# Altium PCB cheriot-test.PcbDoc (part 5 of 12) (continued)
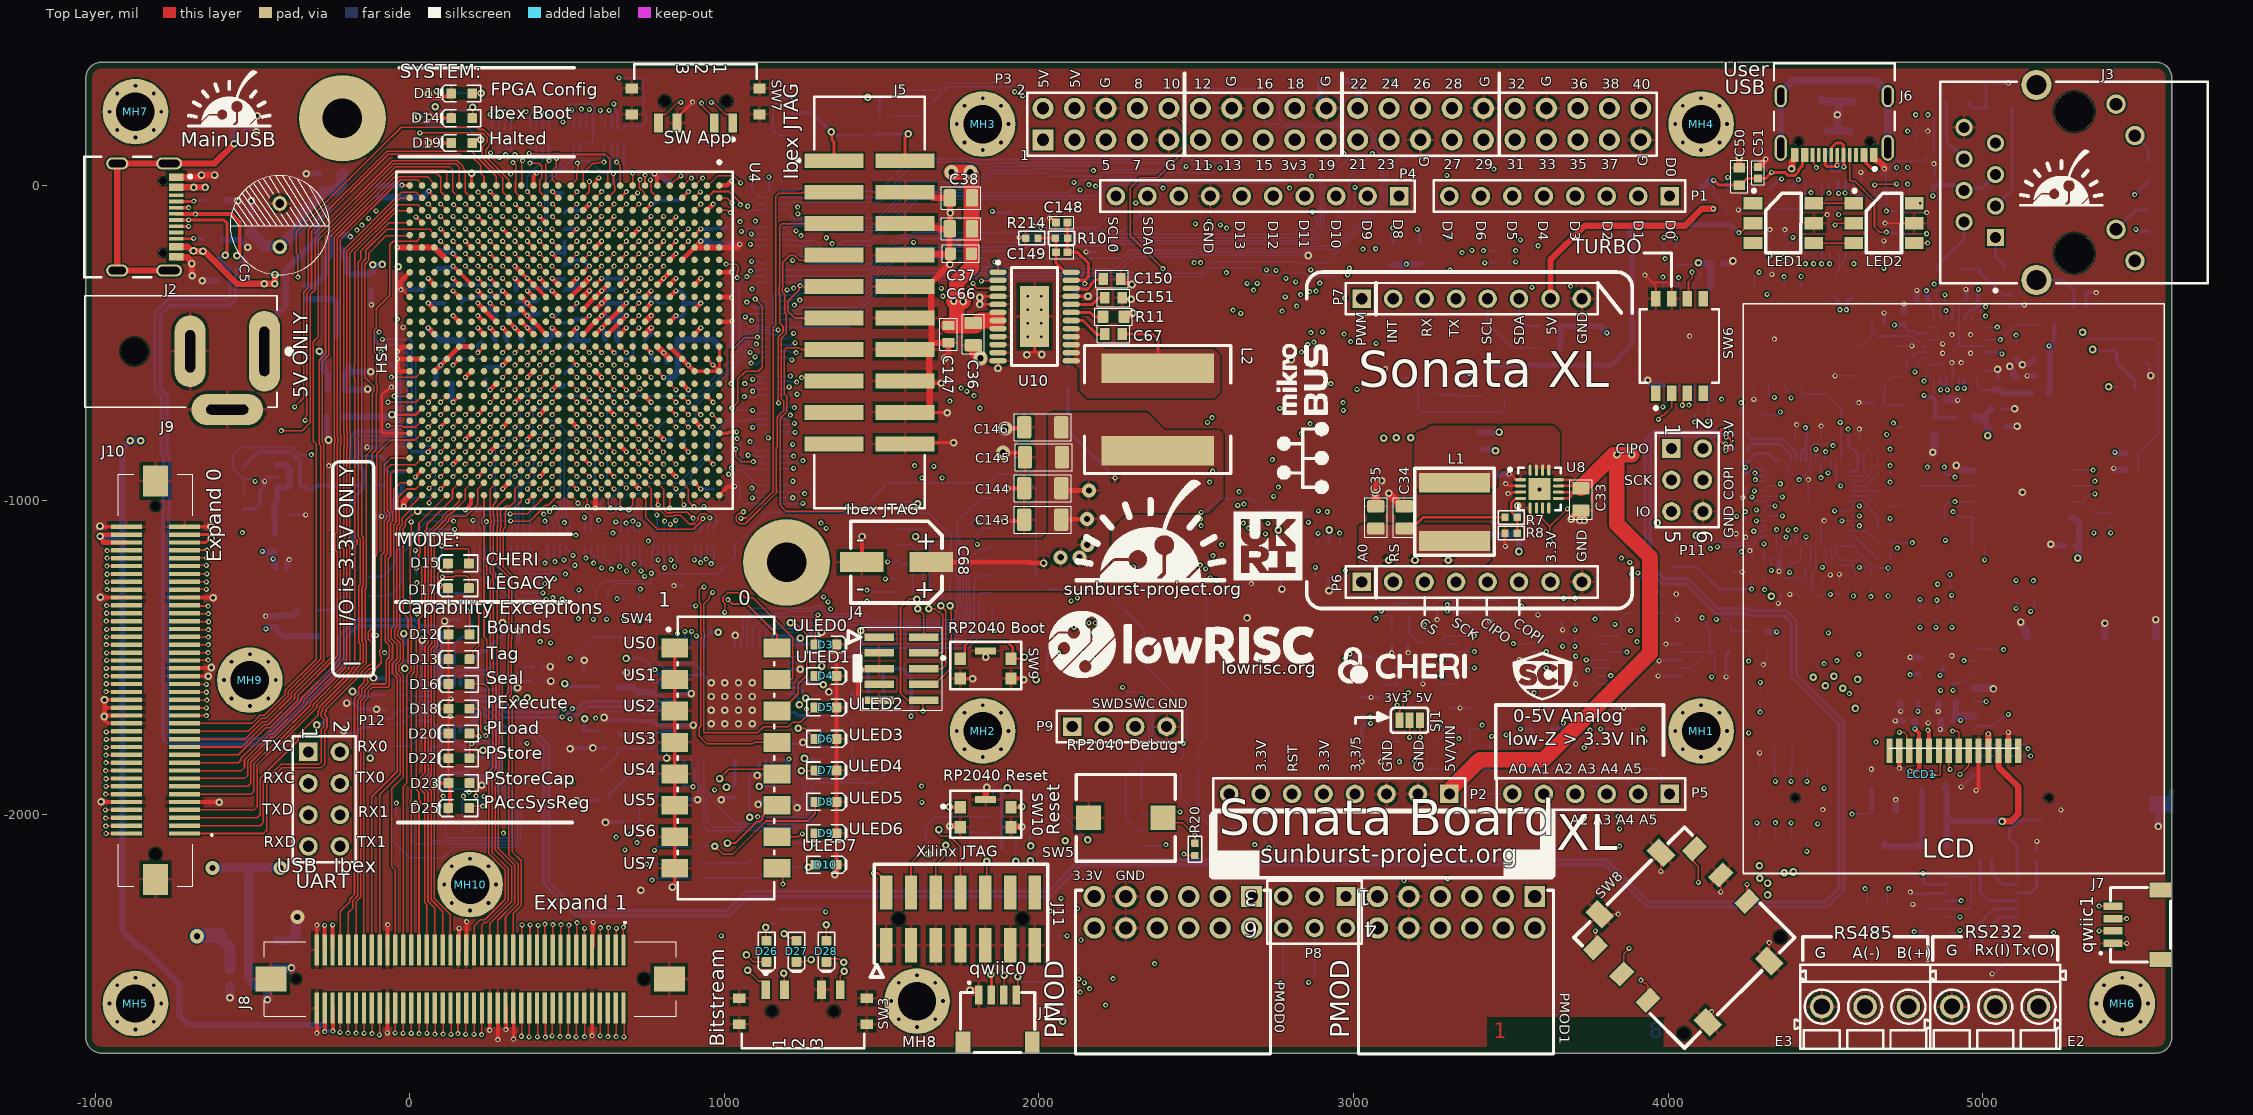
[diagram p0: Top Layer view]
## Nets (pads, with @x,y where several pads share a name; then routed paths per layer and width w, separated by ;. In a path a pad name is that pad's centre, name@x,y a point inside that pad or via, vN(x,y) a via of type N, cw(c..) or ccw(c..) an arc to the next point about the centre after c; other vN are vias at no path point) (continued)
EX0_25: J10.28 U4.AD4 | length 2509.3
  Top Layer w5: v1@-964.4,-1736.63 J10.28@-899.41,-1736.63 ; v1(59.06,-98.43) U4.AD4@78.74,-118.11
  Int4 (Sign) w5: v1(-964.42,-1736.61) -528.34,-1736.61 -475.69,-1683.96 -461.55,-1683.96 -396.04,-1618.45 -396.04,-1580.04 -232.89,-1416.89 -232.89,-1175.74 -248.5,-1160.13 -248.5,-1105.87 -232.89,-1090.26 -232.89,-297.89 -5,-70 30.63,-70 v1(59.06,-98.43)
EX0_26: J10.29 U4.AB1 | length 2465.3
  Top Layer w5: J10.29@-715.35,-1709.65 -501.38,-1709.65 -475.69,-1683.96 -461.55,-1683.96 -396.04,-1618.45 -396.04,-1604.31 -297.26,-1505.52 -297.26,-848.82 -297.5,-848.58 -297.5,-821.5 -306.5,-812.5 -306.5,-497.05 -290,-480.55 -290,-171.28 -49.66,69.06 147.48,69.06 157.48,59.06 157.48,24 157,23.52 U4.AB1@157,1
EX0_27: J10.31 U4.W1 | length 3029.3
  Top Layer w5: J10.31@-710.89,-1684.62 v1(-645.88,-1684.64) ; v1(-366,-704) -336.5,-674.5 -336.5,-339.22 -322,-324.72 -322,-140.8 -72.14,109.06 196.25,109.06 242.22,63.08 275.59,29.71 U4.W1@275.59,0
  Int3 (Sign) w5: v1(-645.88,-1684.64) -835.87,-1684.64 -901.25,-1619.25 -901.25,-909.69 -865.28,-873.72 -862.36,-870.79 -859.43,-867.86 -856.5,-864.93 -853.57,-862 -512.56,-862 -371.63,-721.07 -371.63,-712.43 -366,-706.8 v1(-366,-704)
EX0_28: J10.33 U4.AA2 | length 2960.4
  Top Layer w5: J10.33@-710.89,-1660.62 v1(-645.88,-1660.64) ; v1(-407.82,-779.18) -341.18,-779.18 -316.5,-754.5 -316.5,-347.5 -300,-331 -300,-167.14 -53.8,79.06 151.62,79.06 168.84,61.84 ; 169,61.84 169,56 177,48 177,-19.52 U4.AA2@196.85,-39.37
  Int3 (Sign) w5: v1(-645.88,-1660.64) -837.24,-1660.64 -889.94,-1607.94 -889.94,-912.51 -858.21,-880.79 -855.28,-877.86 -852.36,-874.93 -849.43,-872 -495.43,-872 -452.67,-829.25 -452.67,-824.04 -409.64,-781 v1@-406,-781 ; v1(-407.82,-779.18) v1@-406,-781 ; v1@-406,-777.36 v1@-406,-781
EX0_29: J10.35 U4.V1 | length 3163.1
  Top Layer w5: J10.35@-709.89,-1635.62 v1(-644.88,-1635.64) ; v1(-355.5,-291) -355.5,-220.76 -361,-215.26 -361,-148.43 -90.57,122 -90,122 -27,185 213.58,185 220.58,178 234.72,178 256,156.72 256,142.14 256,133.86 252.5,130.36 252.5,124.58 241.5,113.58 241.5,92.09 314.96,18.63 U4.V1@314.96,0
  Int3 (Sign) w5: v1(-644.88,-1635.64) -839.61,-1635.64 -878.63,-1596.63 -878.63,-915.34 -851.14,-887.86 -848.21,-884.93 -845.28,-882 -491.28,-882 -408.78,-799.5 -399.58,-799.5 -390.5,-790.42 -390.5,-781.22 -357.5,-748.22 -357.5,-724.41 -345.42,-712.33 -345.42,-302.84 -355.5,-292.76 v1(-355.5,-291)
EX0_30: J10.37 U4.V4 | length 2821.2
  Top Layer w5: J10.37@-710.89,-1610.62 v1(-645.88,-1610.64) ; v1(295.28,-98.43) U4.V4@314.96,-118.11
  Int1 (Sign) w5: v1(-168.04,-141.96) -143,-167 20,-167 69,-118 275.7,-118 v1(295.28,-98.43)
  Int3 (Sign) w5: v1(-645.88,-1610.64) -841.99,-1610.64 -867.31,-1585.31 -867.31,-918.17 -844.07,-894.93 -841.14,-892 -487.14,-892 -404.64,-809.5 -395.44,-809.5 -380.5,-794.56 -380.5,-785.36 -347.5,-752.36 -347.5,-735.7 -330.5,-718.7 -330.5,-689.3 -332,-687.8 -332,-226.43 -246.57,-141 -169,-141 v1(-168.04,-141.96)
EX0_31: J10.38 U4.AD3 | length 2236.6
  Top Layer w5: v1@-965.4,-1608.63 J10.38@-900.41,-1608.63 ; v1(59.06,-59.06) U4.AD3@78.74,-78.74
  Int4 (Sign) w5: v1(-965.42,-1608.61) -963.04,-1608.61 -752.22,-1397.78 -749.29,-1394.85 -746.36,-1391.92 -743.43,-1389 -740.5,-1386.07 -737.57,-1383.14 -734.64,-1380.21 -731.72,-1377.28 -728.79,-1374.35 -725.86,-1371.42 -685.61,-1331.17 -685.61,-1051.17 -600.44,-966 -445.44,-966 -303.94,-824.5 -297.73,-824.5 -277.5,-804.27 -277.5,-800.92 -266.08,-789.5 -262.73,-789.5 -253.5,-780.27 -253.5,-774.06 -252.93,-773.49 -250,-770.56 -250,-551.35 -243.5,-544.85 -243.5,-507.15 -250,-500.65 -250,-274.12 -20.88,-45 37.8,-45 46.3,-53.5 50.52,-53.5 56.08,-59.06 v1(59.06,-59.06)
EX0_32: J10.39 U4.Y1 | length 2868.4
  Top Layer w5: J10.39@-710.89,-1585.62 v1(-645.88,-1585.64) ; v1(-332,-746.75) -329.9,-744.65 -329.9,-732.15 -326.5,-728.75 -326.5,-343.36 -312,-328.86 -312,-144.94 -68,99.06 159.91,99.06 169.91,89.06 200.09,89.06 226.35,62.79 226.35,37.45 236.22,27.58 U4.Y1@236.22,0
  Int3 (Sign) w5: v1(-645.88,-1585.64) -844.36,-1585.64 -856,-1574 -856,-921 -837,-902 -483,-902 -400.5,-819.5 -391.3,-819.5 -370.5,-798.7 -370.5,-789.5 -337.5,-756.5 -337.5,-755.23 -332,-749.73 v1(-332,-746.75)
EX0_33: J10.40 U4.AC3 | length 2272.9
  Top Layer w5: v1@-964.4,-1583.63 J10.40@-899.41,-1583.63 ; v1(98.43,-59.06) U4.AC3@118.11,-78.74
  Int4 (Sign) w5: v1(-964.42,-1583.61) -952.18,-1583.61 -759.29,-1390.71 -756.36,-1387.78 -753.43,-1384.85 -750.5,-1381.92 -747.57,-1379 -744.64,-1376.07 -741.72,-1373.14 -738.79,-1370.21 -735.86,-1367.28 -695.61,-1327.03 -695.61,-1047.03 -604.58,-956 -449.58,-956 -308.08,-814.5 -301.87,-814.5 -287.5,-800.13 -287.5,-796.78 -270.22,-779.5 -266.87,-779.5 -263.5,-776.13 -263.5,-769.92 -262.93,-769.35 -260,-766.42 -260,-547.2 -253.5,-540.7 -253.5,-511.3 -260,-504.8 -260,-269.98 -25.02,-35 41.94,-35 50.44,-43.5 82.87,-43.5 v1(98.43,-59.06)
EX0_34: J10.42 U4.AB4 | length 2344.9
  Top Layer w5: v1@-964.4,-1559.63 J10.42@-899.41,-1559.63 ; v1(137.8,-98.43) U4.AB4@157.48,-118.11
  Int4 (Sign) w5: v1(-964.42,-1559.61) -942.33,-1559.61 -766.36,-1383.64 -763.43,-1380.71 -760.5,-1377.78 -757.57,-1374.85 -754.64,-1371.92 -751.72,-1368.99 -748.79,-1366.07 -745.86,-1363.14 -705.61,-1322.89 -705.61,-1042.89 -587.72,-925 -432.72,-925 -312.22,-804.5 -306.01,-804.5 -297.5,-795.99 -297.5,-792.64 -273.5,-768.64 -273.5,-765.78 -272.93,-765.21 -270,-762.28 -270,-543.06 -263.5,-536.56 -263.5,-515.44 -270,-508.94 -270,-265.84 -29.16,-25 46.08,-25 54.58,-33.5 67.42,-33.5 75.92,-25 86.29,-25 114.5,-53.21 114.5,-75.13 v1(137.8,-98.43)
EX0_35: J10.44 U4.AA5 | length 2451.7
  Top Layer w5: v1@-964.4,-1534.63 J10.44@-899.41,-1534.63 ; v1(177.17,-137.8) U4.AA5@196.85,-157.48
  Int4 (Sign) w5: v1(-964.42,-1534.61) -931.47,-1534.61 -773.43,-1376.57 -770.5,-1373.64 -767.57,-1370.71 -764.64,-1367.78 -761.72,-1364.85 -758.79,-1361.92 -755.86,-1358.99 -715.61,-1318.75 -715.61,-1038.75 -591.86,-915 -436.86,-915 -316.36,-794.5 -310.43,-794.5 -307.5,-791.57 -307.5,-788.5 -285.18,-766.17 -285.18,-556.4 -306.5,-535.08 -306.5,-417.21 -280,-390.71 -280,-223.14 -73.43,-16.57 -71.36,-14.5 -18.66,-14.5 -6.66,-2.5 77.93,-2.5 124.5,-49.07 124.5,-67.42 133.58,-76.5 145.4,-76.5 157.48,-88.58 157.48,-118.11 v1(177.17,-137.8)
EX0_36: J10.45 U4.V3 | length 2491.3
  Top Layer w5: J10.45@-705.89,-1508.62 v1(-640.88,-1508.64) ; v1(295.28,-59.06) U4.V3@314.96,-78.74
  Int1 (Sign) w5: v1(-152.04,-125.96) -106.96,-125.96 -61.58,-80.58 254.67,-80.58 276.2,-59.06 v1(295.28,-59.06)
  Int3 (Sign) w5: v1(-640.88,-1508.64) -664.7,-1508.64 -810,-1363.34 -810,-1086.15 -685.85,-962 -393.35,-962 -259.85,-828.5 -249.92,-828.5 -238.5,-817.08 -238.5,-807.15 -217,-785.65 -217,-237 -143.5,-163.5 -143.5,-137.48 -152.04,-128.93 v1(-152.04,-125.96)
EX0_37: J10.46 U4.AA4 | length 2420.3
  Top Layer w5: v1@-963.4,-1509.63 J10.46@-898.41,-1509.63 ; v1(177.17,-98.43) U4.AA4@196.85,-118.11
  Int4 (Sign) w5: v1(-963.42,-1509.61) -920.61,-1509.61 -780.5,-1369.5 -777.57,-1366.57 -774.64,-1363.64 -771.72,-1360.71 -768.79,-1357.78 -765.86,-1354.85 -725.61,-1314.61 -725.61,-1034.61 -596,-905 -441,-905 -320.5,-784.5 -317.65,-784.5 -295.18,-762.03 -295.18,-560.54 -316.5,-539.22 -316.5,-413.07 -290,-386.57 -290,-219 -64.5,6.5 ; -62.93,8.93 -59.86,12 -49.07,12 -44.57,16.5 73.07,16.5 135.07,-45.5 146.42,-45.5 160.74,-59.82 160.74,-64.55 177.17,-80.98 v1(177.17,-98.43)
EX0_38: J10.47 U4.Y2 | length 2395.9
  Top Layer w5: J10.47@-705.89,-1484.62 v1(-640.88,-1484.64) ; v1@216.35,-19.5 v1(217.85,-21) v1@220,-21 ; v1@218.93,-22.07 U4.Y2@236.22,-39.37
  Int1 (Sign) w5: v1(-130.54,-104.46) -105.46,-104.46 -41,-40 198.85,-40 216.85,-22 v1@218,-22
  Int3 (Sign) w5: v1(-640.88,-1484.64) -673.14,-1484.64 -800,-1357.78 -800,-1090.29 -681.71,-972 -389.2,-972 -255.7,-838.5 -245.78,-838.5 -228.5,-821.22 -228.5,-811.3 -207,-789.8 -207,-241.14 -132.93,-167.07 -132.93,-112.89 -132.65,-112.6 -132.65,-106.56 v1(-130.54,-104.46)
EX0_39: J10.48 U4.AA3 | length 2392.2
  Top Layer w5: v1@-963.4,-1485.63 J10.48@-898.41,-1485.63 ; v1(177.17,-59.06) U4.AA3@196.85,-78.74
  Int4 (Sign) w5: v1(-963.42,-1485.61) -910.75,-1485.61 -787.57,-1362.43 -784.64,-1359.5 -781.72,-1356.57 -778.79,-1353.64 -775.86,-1350.71 -735.61,-1310.46 -735.61,-1030.46 -600.15,-895 -445.15,-895 -322.97,-772.83 -320.11,-772.83 -305.18,-757.89 -305.18,-564.69 -326.5,-543.36 -326.5,-408.93 -300,-382.43 -300,-214.85 -74.57,10.57 ; -75,11 -64,22 -58.61,22 -54.11,26.5 77.22,26.5 80.22,23.5 94.61,23.5 v1(177.17,-59.06)
EX0_40: J10.49 U4.V2 | length 2779
  Top Layer w5: J10.49@-704.89,-1459.62 v1(-639.88,-1459.64) ; v1@33,168 230.58,168 246,152.58 246,138 231.32,123.32 231.32,88.13 238.84,80.6 295.28,24.17 295.28,-19.69 U4.V2@314.96,-39.37
  Int1 (Sign) w5: v1(-106.54,-80.46) -46.08,-20 6,-20 32,6 v1(32,167)
  Int3 (Sign) w5: v1(-639.88,-1459.64) -682.58,-1459.64 -790,-1352.23 -790,-1094.43 -677.57,-982 -385.06,-982 -251.56,-848.5 -241.64,-848.5 -218.5,-825.36 -218.5,-815.44 -197,-793.94 -197,-245.28 -106.54,-154.83 v1(-106.54,-80.46)
EX0_41: J10.50 U4.Y6 | length 2537.9
  Top Layer w5: v1@-964.4,-1459.63 J10.50@-899.41,-1459.63 ; v1(216.54,-177.17) U4.Y6@236.22,-196.85
  Int4 (Sign) w5: v1(-964.42,-1459.61) -898.89,-1459.61 -794.64,-1355.36 -791.72,-1352.43 -788.79,-1349.5 -785.86,-1346.57 -745.61,-1306.32 -745.61,-1026.32 -604.29,-885 -449.29,-885 -327.11,-762.83 -324.25,-762.83 -315.18,-753.75 -315.18,-568.83 -336.5,-547.5 -336.5,-404.78 -310,-378.28 -310,-210.71 -84.5,14.79 ; -84.57,15.57 -68.14,32 -62.75,32 -58.25,36.5 81.36,36.5 84.36,33.5 107.35,33.5 196.85,-56 196.85,-157.48 v1(216.54,-177.17)
EX0_42: J10.51 U4.Y5 | length 2239.6
  Top Layer w5: J10.51@-704.89,-1435.62 v1(-639.88,-1435.64) ; v1(216.54,-137.8) U4.Y5@236.22,-157.48
  Int3 (Sign) w5: v1(-639.88,-1435.64) -691.03,-1435.64 -780,-1346.67 -780,-1098.57 -673.43,-992 -380.92,-992 -247.42,-858.5 -237.5,-858.5 -208.5,-829.5 -208.5,-819.58 -187,-798.08 -187,-249.43 -126.43,-188.86 -123.86,-188.86 -94,-159 195.33,-159 v1(216.54,-137.8)
EX0_43: J10.52 U4.Y3 | length 2419.9
  Top Layer w5: v1@-963.4,-1434.63 J10.52@-898.41,-1434.63 ; v1(216.54,-59.06) U4.Y3@236.22,-78.74
  Int4 (Sign) w5: v1(-963.42,-1434.61) -888.04,-1434.61 -801.72,-1348.28 -798.79,-1345.36 -795.86,-1342.43 -755.61,-1302.18 -755.61,-1022.18 -608.43,-875 -453.43,-875 -347.5,-769.07 -347.5,-735.7 -330.5,-718.7 -330.5,-567.65 -346.5,-551.65 -346.5,-400.64 -320,-374.14 -320,-206.57 -94.5,18.93 ; -94,20 -94,20.28 -72.28,42 -70,42 -65.5,46.5 85.5,46.5 86,46 111.48,46 v1(216.54,-59.06)
EX0_44: J10.53 U4.AB6 | length 2121.6
  Top Layer w5: J10.53@-704.89,-1411.62 v1(-639.88,-1411.64) ; v1(137.8,-177.17) U4.AB6@157.48,-196.85
  Int3 (Sign) w5: v1(-639.88,-1411.64) -699.47,-1411.64 -770,-1341.11 -770,-1102.72 -669.28,-1002 -364.49,-1002 -305.84,-943.35 -288.43,-943.35 -241.5,-896.42 -241.5,-887.07 -180.5,-826.07 -180.5,-808.15 -177,-804.65 -177,-253.57 -139.22,-215.78 ; -139,-216 -134.5,-211.5 -70.64,-211.5 -69.14,-213 101.96,-213 v1(137.8,-177.17)
EX0_45: J10.54 U4.W5 | length 2538.6
  Top Layer w5: v1@-963.4,-1410.63 J10.54@-898.41,-1410.63 ; v1(255.91,-137.8) U4.W5@275.59,-157.48
  Int4 (Sign) w5: v1(-963.42,-1410.61) -878.18,-1410.61 -808.79,-1341.21 -805.86,-1338.28 -765.61,-1298.04 -765.61,-1018.04 -612.57,-865 -457.57,-865 -357.5,-764.93 -357.5,-731.56 -340.5,-714.56 -340.5,-571.79 -356.5,-555.79 -356.5,-396.5 -330,-370 -330,-202.43 -105.29,22.29 -105.29,23.14 -70.43,58 134,58 175.47,16.53 175.47,-0.54 216.94,-42.01 221.41,-42.01 236,-56.6 236,-117.89 v1(255.91,-137.8)
EX0_46: J10.55 U4.Y7 | length 2164.4
  Top Layer w5: J10.55@-703.89,-1386.62 v1(-638.88,-1386.64) ; v1(216.54,-216.54) U4.Y7@236.22,-236.22
  Int3 (Sign) w5: v1(-638.88,-1386.64) -708.92,-1386.64 -760,-1335.56 -760,-1106.86 -665.14,-1012 -360.35,-1012 -301.7,-953.35 -284.29,-953.35 -231.5,-900.56 -231.5,-891.22 -170.5,-830.22 -170.5,-812.3 -167,-808.8 -167,-257.71 -136.14,-226.86 ; -136,-227 -135,-226 -134.86,-226 -131.86,-223 -129.72,-223 -128.22,-221.5 -74.78,-221.5 -73.28,-223 106.1,-223 131.1,-198 198,-198 v1(216.54,-216.54)
EX0_47: J10.56 U4.W3 | length 2472.4
  Top Layer w5: v1@-964.4,-1384.63 J10.56@-899.41,-1384.63 ; v1(254.28,-59.06) 255.09,-59.06 274.78,-78.74 U4.W3@275.59,-78.74
  Int4 (Sign) w5: v1(-964.42,-1384.61) -866.32,-1384.61 -815.86,-1334.14 -775.61,-1293.89 -775.61,-1013.89 -616.72,-855 -461.72,-855 -367.5,-760.78 -367.5,-727.42 -350.5,-710.42 -350.5,-575.93 -366.5,-559.93 -366.5,-392.36 -340,-365.86 -340,-198.28 -116.36,25.36 -115.29,26.43 -115.29,27.28 -74.57,68 138.14,68 186.27,19.87 190.13,19.87 215.5,-5.5 224.27,-5.5 233.35,-14.58 233.35,-23.35 253.56,-43.56 253.56,-58.33 v1(254.28,-59.06)
EX0_48: J10.57 U4.W8 | length 2153.7
  Top Layer w5: J10.57@-704.89,-1360.62 v1(-639.88,-1360.64) ; v1(255.91,-255.91) U4.W8@275.59,-275.59
  Int3 (Sign) w5: v1(-639.88,-1360.64) -719.36,-1360.64 -750,-1330 -750,-1111 -661,-1022 -356.2,-1022 -297.56,-963.35 -280.15,-963.35 -221.5,-904.7 -221.5,-895.36 -160.5,-834.36 -160.5,-816.44 -157,-812.94 -157,-261.85 -138.07,-242.93 ; -138,-243 -130,-235 -127.58,-235 -124.08,-231.5 -78.92,-231.5 -75.42,-235 235,-235 v1(255.91,-255.91)
EX0_49: J10.58 U4.W4 | length 2526
  Top Layer w5: v1@-963.4,-1359.63 J10.58@-898.41,-1359.63 ; v1(255.91,-98.43) U4.W4@275.59,-118.11
  Int4 (Sign) w5: v1(-963.42,-1359.61) -855.46,-1359.61 -785.61,-1289.75 -785.61,-1009.75 -620.86,-845 -495.56,-845 -379.68,-729.12 -379.68,-724.98 -381.5,-723.15 -381.5,-697.58 -376.5,-692.58 -376.5,-220.64 -125.29,30.57 -125.29,31.42 -78.71,78 196,78 274,0 274,-80.33 v1(255.91,-98.43)
EX0_50: J10.59 U4.AC19 | length 1141.6
  Top Layer w5: J10.59@-705.89,-1336.62 v1(-640.88,-1336.64) ; v1(98.43,-728.35) U4.AC19@118.11,-708.66
  Int3 (Sign) w5: v1(-640.88,-1336.64) -533.44,-1336.64 -398.5,-1201.7 -398.5,-1182.64 -389.42,-1173.56 -379.07,-1173.56 -9,-803.49 -9,-765.15 3.41,-752.74 3.41,-743.59 40,-707 77,-707 v1@99,-729
EX0_51: J10.60 U4.AD26 | length 1265.7
  Top Layer w5: v1@-963.4,-1335.63 J10.60@-898.41,-1335.63 ; v1(62,-1009) 62,-1000.99 U4.AD26@78.74,-984.25
  Int6 (Sign) w5: v1(-963.42,-1335.61) -913.61,-1335.61 -575,-997 7,-997 19,-1009 59,-1009 v1@60,-1008
EX0_52: J10.63 U4.AC18 | length 1142.9
  Top Layer w5: J10.63@-710.89,-1283.62 v1(-645.88,-1283.64) ; v1(98.43,-688.98) U4.AC18@118.11,-669.29
  Int3 (Sign) w5: v1(-645.88,-1283.64) -494.58,-1283.64 -408.5,-1197.56 -408.5,-1178.5 -393.56,-1163.56 -383.21,-1163.56 -20,-800.35 -20,-762 -6.59,-748.6 -6.59,-731.59 53,-672 85,-672 89.24,-676.24 89.24,-676.82 100,-687.57 v1@100,-688
EX0_53: J10.64 U4.AD25 | length 1255.1
  Top Layer w5: v1@-962.4,-1284.63 J10.64@-897.41,-1284.63 ; v1(62,-963) 62,-962.31 78.05,-946.26 78.74,-946.26 U4.AD25@78.74,-944.88
  Int6 (Sign) w5: v1(-962.42,-1284.61) -890.61,-1284.61 -589,-983 55,-983 59.9,-978.1 59.9,-967.1 v1@63,-964
EX0_54: J10.65 U4.AB19 | length 1215.1
  Top Layer w5: J10.65@-710.89,-1259.62 v1(-645.88,-1259.64) ; v1(137.8,-728.35) U4.AB19@157.48,-708.66
  Int3 (Sign) w5: v1(-645.88,-1259.64) -484.72,-1259.64 -418.5,-1193.42 -418.5,-1174.36 -397.7,-1153.56 -387.36,-1153.56 -35,-801.2 -35,-762.86 -16.59,-744.46 -16.59,-718.59 41,-661 93,-661 117,-685 117,-705 138,-726 v1@138,-729
EX0_55: J10.66 U4.AB21 | length 1486
  Top Layer w5: v1@-961.4,-1259.63 J10.66@-896.41,-1259.63 ; v1(139,-806) 139,-805.88 U4.AB21@157.48,-787.4
  Int6 (Sign) w5: v1(-961.42,-1259.61) -898.61,-1259.61 -602,-963 34,-963 49.5,-947.5 151.5,-947.5 156,-943 156,-823 141,-808 v1@141,-803
EX0_56: J10.67 U4.AB20 | length 1316.7
  Top Layer w5: J10.67@-709.89,-1234.62 v1(-644.88,-1234.64) ; v1(137.8,-767.72) U4.AB20@157.48,-748.03
  Int3 (Sign) w5: v1(-644.88,-1234.64) -503.58,-1234.64 -341.44,-1072.5 -320.44,-1072.5 -51,-803.06 -51,-764.72 -26.59,-740.31 -26.59,-714.45 37.86,-650 164,-650 172,-658 172,-701 159,-714 159,-736 138.5,-756.5 138.5,-767.01 v1(137.8,-767.72)
EX0_57: J10.68 U4.AF18 | length 1857.9
  Top Layer w5: v1@-961.4,-1235.63 J10.68@-896.41,-1235.63 ; v1(-49.21,-669.29) U4.AF18@0,-669.29
  Int6 (Sign) w5: v1(-961.42,-1235.61) -898.61,-1235.61 -571,-908 5,-908 47,-866 76,-866 80,-862 80,-793 85,-788 191,-788 200,-779 200,-738.7 197.38,-736.08 197.38,-719.92 200,-717.3 200,-681 188.29,-669.29 v1@-47.71,-669.29
EX0_58: J10.69 U4.AD19 | length 1577.2
  Top Layer w5: J10.69@-710.89,-1207.62 v1(-645.88,-1207.64) ; v1(59.5,-728.35) 59.5,-728.12 78.74,-708.88 U4.AD19@78.74,-708.66
  Int3 (Sign) w5: v1(-645.88,-1207.64) -490.72,-1207.64 -345.58,-1062.5 -324.58,-1062.5 -109.5,-847.42 -109.5,-825.78 -84.4,-800.68 -84.4,-761.3 -84.4,-756.58 -75.32,-747.5 -62.48,-747.5 -61.24,-748.73 -49.16,-748.73 -36.59,-736.17 -36.59,-710.31 38.72,-635 165,-635 192.67,-662.67 192.67,-744.33 188.97,-748.03 167.97,-748.03 157,-759 157,-779 151,-785 41,-785 33,-777 33,-738 42.65,-728.35 v1(59.5,-728.35)
EX0_59: J10.70 U4.AD20 | length 1306.5
  Top Layer w5: v1@-962.4,-1209.63 J10.70@-897.41,-1209.63 ; v1(59.06,-767.72) U4.AD20@78.74,-748.03
  Int6 (Sign) w5: v1(-962.42,-1209.61) -898.61,-1209.61 -560,-871 -28,-871 55,-788 55,-774.75 56.95,-772.8 56.95,-769.95 v1@55,-768
EX0_60: J10.71 U4.AA20 | length 1394.8
  Top Layer w5: J10.71@-710.89,-1183.62 v1(-645.88,-1183.64) ; v1(177.17,-767.72) U4.AA20@196.85,-748.03
  Int3 (Sign) w5: v1(-645.88,-1183.64) -510.56,-1183.64 -434.49,-1107.57 -413.49,-1107.57 -337.42,-1031.5 -320.01,-1031.5 -164.22,-875.7 -156.78,-875.7 -119.5,-838.42 -119.5,-821.64 -99.5,-801.64 -99.5,-748.5 -75.59,-724.59 -75.59,-720.02 -64.17,-708.59 -59.59,-708.59 -43,-692 -33.28,-692 33.72,-625 170.01,-625 236.38,-691.37 236.38,-736.08 224.96,-747.5 212.5,-747.5 190,-770 185.59,-770 185.42,-769.82 v1@178.04,-769.82
EX0_61: J10.72 U4.AA19 | length 1425
  Top Layer w5: v1@-961.4,-1184.63 J10.72@-896.41,-1184.63 ; v1(177.17,-728.35) U4.AA19@196.85,-708.66
  Int6 (Sign) w5: v1(-961.42,-1184.61) -899.61,-1184.61 -554.74,-839.74 -306.34,-839.74 -298.58,-847.5 -76.5,-847.5 22,-749 156.51,-749 175.51,-730 v1@176,-730
EX0_62: J10.73 U4.AE18 | length 990.7
  Top Layer w5: J10.73@-709.89,-1158.62 v1(-644.88,-1158.64) ; v1(-68.9,-688.98) 19.69,-688.98 U4.AE18@39.37,-669.29
  Int3 (Sign) w5: v1(-644.88,-1158.64) -499.7,-1158.64 -430.08,-1089.02 -409.08,-1089.02 -341.56,-1021.5 -324.15,-1021.5 -211.5,-908.85 -211.5,-899.5 -150.5,-838.5 -150.5,-820.58 -109.5,-779.58 -109.5,-727.5 v1@-75,-693
EX0_63: J10.74 U4.AE20 | length 1243.1
  Top Layer w5: v1@-961.4,-1160.63 J10.74@-896.41,-1160.63 ; v1(-68.9,-763) -25.48,-763 -20.76,-767.72 19.69,-767.72 U4.AE20@39.37,-748.03
  Int6 (Sign) w5: v1(-961.42,-1160.61) -893.61,-1160.61 -558,-825 -269.58,-825 -266.08,-828.5 -249.92,-828.5 -246.42,-825 -227,-825 ; -227,-824 -166,-763 v1(-68.9,-763)
EX1_0: J8.1 U4.T17 | length 2130.2
  Top Layer w5: v1(374.02,-649.61) U4.T17@393.7,-629.92 ; J8.1@678.35,-2434.35 v1@678.35,-2357.65
  Int1 (Sign) w5: v1(374.02,-649.61) 389.62,-634 478,-634 495,-651 495,-1034 478,-1051 ; 479.11,-1052.11 472.57,-1058.65 472.57,-1073.78 477.79,-1078.99 477.79,-1083.13 397,-1163.92 397,-1172.86 388,-1181.86 388,-1242.65 384.5,-1246.15 384.5,-1269.65 378,-1276.15 378,-1320.43 378,-1364.43 397,-1383.43 397,-1506.58 438.92,-1548.5 450.08,-1548.5 471,-1569.42 471,-1679.58 468.75,-1681.83 468.75,-1694.67 471,-1696.91 471,-1992.5 679,-2200.5 v1(679,-2357)
EX1_1: J8.2 U4.T15 | length 2939.2
  Top Layer w5: v1(374.02,-570.87) U4.T15@393.7,-551.18 ; v1@681.65,-2705.35 J8.2@681.65,-2628.65
  Int4 (Sign) w5: v1@377,-568 377,-573.85 394,-590.85 394,-1020.77 346.39,-1068.38 346.39,-1076.56 331.45,-1091.5 323.27,-1091.5 240.06,-1174.71 240.06,-1288.15 269.5,-1317.59 269.5,-1388.42 259.5,-1398.42 259.5,-1553.7 145.7,-1667.5 128,-1667.5 65.5,-1730 65.5,-1931.51 74.5,-1940.51 74.5,-1986.49 65.5,-1995.49 65.5,-2366.5 196,-2497 625.48,-2497 681,-2552.52 v1(681,-2706)
EX1_2: J8.3 U4.T19 | length 2033.9
  Top Layer w5: v1(374.02,-728.35) U4.T19@393.7,-708.66 ; J8.3@656.35,-2438.35 656.35,-2361.65 v1(657,-2361)
  Int1 (Sign) w5: v1(374.02,-728.35) 392.36,-710 473,-710 480,-717 480,-1033 471,-1042 ; 470.92,-1042 469,-1043.92 469,-1045.86 468,-1046.86 468,-1049.08 455.39,-1061.69 455.39,-1083.47 387,-1151.86 387,-1168.72 378,-1177.72 378,-1238.51 374.5,-1242.01 374.5,-1265.51 368,-1272.01 368,-1324.57 368,-1368.57 387,-1387.57 387,-1544 461,-1618 461,-1675.44 458.75,-1677.68 458.75,-1698.81 461,-1701.05 461,-1998 657,-2194 v1(657,-2361)
EX1_3: J8.4 U4.T18 | length 2787.3
  Top Layer w5: v1(374.02,-688.98) U4.T18@393.7,-669.29 ; v1@656.65,-2704.35 J8.4@656.65,-2627.65
  Int4 (Sign) w5: v1@372,-690 372,-690.99 357,-705.99 357,-976 336.39,-996.61 336.39,-1072.42 327.31,-1081.5 316.2,-1081.5 230.06,-1167.64 230.06,-1292.29 259.5,-1321.73 259.5,-1384.27 249.5,-1394.27 249.5,-1549.56 141.56,-1657.5 123.86,-1657.5 55.5,-1725.86 55.5,-1935.65 64.5,-1944.65 64.5,-1982.35 55.5,-1991.35 55.5,-2370.64 191.86,-2507 600.12,-2507 656,-2562.88 v1(656,-2705)
EX1_4: J8.5 U4.T20 | length 1873.2
  Top Layer w5: v1(374.02,-767.72) U4.T20@393.7,-748.03 ; J8.5@631.35,-2436.35 v1@631.35,-2359.65
  Int1 (Sign) w5: v1@378,-768 378,-768.72 381.1,-771.83 381.83,-771.83 396,-786 414.22,-786 428.89,-800.67 428.89,-970.99 411.15,-988.73 411.15,-1037.34 410.19,-1038.29 410.19,-1051.13 411.15,-1052.08 411.15,-1110.85 375,-1147 375,-1166.57 368,-1173.57 368,-1234.37 364.5,-1237.87 364.5,-1261.37 358,-1267.87 358,-1328.71 358,-1372.71 375,-1389.71 375,-1546.14 451,-1622.14 451,-1671.3 448.75,-1673.54 448.75,-1702.95 451,-1705.2 451,-2002.14 632,-2183.14 v1(632,-2359)
EX1_5: J8.6 U4.V16 | length 2831.8
  Top Layer w5: v1(295.28,-610.24) U4.V16@314.96,-590.55 ; v1@630.65,-2704.35 J8.6@630.65,-2627.65
  Int4 (Sign) w5: v1@292.51,-613 v1@295,-613 ; v1@296,-610 315,-629 315,-974 284,-1005 284,-1075.67 268.53,-1091.14 268.53,-1102.47 246,-1125 246,-1132.49 220.06,-1158.43 220.06,-1296.43 249.5,-1325.87 249.5,-1380.13 239.5,-1390.13 239.5,-1545.42 137.42,-1647.5 119.72,-1647.5 45.5,-1721.72 45.5,-1939.8 54.5,-1948.8 54.5,-1978.2 45.5,-1987.2 45.5,-2374.78 187.72,-2517 573.36,-2517 630,-2573.64 v1(630,-2705)
EX1_6: J8.7 U4.U19 | length 1926.2
  Top Layer w5: v1(334.65,-728.35) U4.U19@354.33,-708.66 ; J8.7@605.35,-2436.35 v1@605.35,-2359.65
  Int1 (Sign) w5: v1@337,-730 337,-730.7 350.15,-743.85 350.15,-781.15 356,-787 381,-787 396,-802 396,-1064 317.93,-1142.07 317.93,-1505.79 441,-1628.86 441,-1667.15 438.75,-1669.4 438.75,-1707.09 441,-1709.34 441,-2006.28 606,-2171.28 v1(606,-2359)
EX1_7: J8.8 U4.V17 | length 2747.2
  Top Layer w5: v1(295.28,-649.61) U4.V17@314.96,-629.92 ; v1(605,-2703) 605.65,-2702.35 J8.8@605.65,-2625.65
  Int4 (Sign) w5: v1@295,-650 274,-671 274,-1071.53 236,-1109.53 236,-1128.35 210.06,-1154.28 210.06,-1300.57 239.5,-1330.01 239.5,-1375.99 229.5,-1385.99 229.5,-1509.64 35.5,-1703.64 35.5,-1943.94 44.5,-1952.94 44.5,-1974.06 35.5,-1983.06 35.5,-2378.93 183.57,-2527 548,-2527 605,-2584 v1(605,-2703)
EX1_8: J8.11 U4.U21 | length 1831
  Top Layer w5: v1(334.65,-807.09) U4.U21@354.33,-787.4 ; J8.11@555.35,-2438.35 v1@555.35,-2361.65
  Int1 (Sign) w5: v1@339,-807 339,-808.46 339.73,-809.19 348.19,-809.19 355,-816 355,-959 302,-1012 302,-1071 263.58,-1109.42 263.58,-1465.58 431,-1633 431,-1663.01 428.75,-1665.26 428.75,-1711.23 431,-1713.48 431,-2010.43 556,-2135.43 v1(556,-2361)
EX1_9: J8.12 U4.W18 | length 2679.4
  Top Layer w5: v1@256,-691 v1(256,-689.07) 255.91,-688.98 U4.W18@275.59,-669.29 ; v1@556.65,-2704.35 J8.12@556.65,-2627.65
  Int4 (Sign) w5: v1@253,-690 253,-692.07 237,-708.07 237,-946 250,-959 250,-1040.08 227,-1063.08 227,-1075 226.5,-1075.5 226.5,-1104.89 200.06,-1131.33 200.06,-1304.72 229.5,-1334.15 229.5,-1371.85 219.5,-1381.85 219.5,-1505.5 25.5,-1699.5 25.5,-1948.08 34.5,-1957.08 34.5,-1969.92 25.5,-1978.92 25.5,-2388.5 174,-2537 517.54,-2537 556,-2575.46 v1(556,-2705)
EX1_10: J8.13 U4.V22 | length 1762.8
  Top Layer w5: v1(295.28,-846.46) U4.V22@314.96,-826.77 ; J8.13@531.35,-2420.35 v1@531.35,-2343.65
  Int1 (Sign) w5: v1@293.73,-848 v1@299,-848 ; v1@299.4,-847.6 300.36,-848.56 310.56,-848.56 318,-856 318,-964.5 284.79,-997.71 284.79,-1070.21 253.58,-1101.42 253.58,-1473.58 421,-1641 421,-1658.87 418.75,-1661.11 418.75,-1715.38 421,-1717.62 421,-2014.57 532,-2125.57 v1(532,-2343)
EX1_11: J8.14 U4.Y23 | length 2457.8
  Top Layer w5: v1(216.54,-885.83) U4.Y23@236.22,-866.14 ; v1@529.65,-2705.35 J8.14@529.65,-2628.65
  Int4 (Sign) w5: v1@215.76,-888 215,-888 197,-906 197,-937 216,-956 216,-1056.97 216.5,-1057.47 216.5,-1057.56 217,-1058.06 217,-1070.86 216.5,-1071.36 216.5,-1100.75 190.06,-1127.18 190.06,-1308.86 219.5,-1338.3 219.5,-1367.7 209.5,-1377.7 209.5,-1499.64 157.43,-1551.71 157.43,-1553.43 15.5,-1695.36 15.5,-1943.58 3.5,-1955.58 3.5,-1971.42 15.5,-1983.42 15.5,-2392.64 169.86,-2547 489.36,-2547 529,-2586.64 v1(529,-2706) ; v1@215.76,-886.61 v1(216.54,-885.83)
EX1_12: J8.15 U4.W20 | length 1832.7
  Top Layer w5: v1(255.91,-767.72) U4.W20@275.59,-748.03 ; J8.15@505.35,-2428.35 505.35,-2351.65 v1(506,-2351)
  Int1 (Sign) w5: v1@257,-768 258.82,-769.82 266.82,-769.82 274,-777 274,-956 270,-960 270,-1070 233,-1107 233,-1500.86 320,-1587.86 320,-1619.67 317.06,-1622.6 317.06,-1638.76 320,-1641.69 320,-1931.86 506,-2117.86 v1(506,-2351)
EX1_13: J8.16 U4.AA24 | length 2385.2
  Top Layer w5: v1(177.17,-925.2) U4.AA24@196.85,-905.51 ; v1@504.65,-2704.35 J8.16@504.65,-2627.65
  Int4 (Sign) w5: v1@173.39,-926 v1@175,-926 ; v1@178,-925 178,-956.34 192.5,-970.84 192.5,-1051.56 180.06,-1064 180.06,-1313 209.5,-1342.44 209.5,-1363.56 199.5,-1373.56 199.5,-1495.5 5.5,-1689.5 5.5,-1939.44 -6.5,-1951.44 -6.5,-1975.56 5.5,-1987.56 5.5,-2396.78 165.72,-2557 464,-2557 504,-2597 v1(504,-2705)
EX1_14: J8.17 U4.V14 | length 2061.7
  Top Layer w5: v1(295.28,-531.5) U4.V14@314.96,-511.81 ; J8.17@480.35,-2426.35 v1@480.35,-2349.65
  Int1 (Sign) w5: v1@296,-532 294,-532 235,-591 235,-718.54 236.38,-719.92 236.38,-736.08 235,-737.46 235,-948 223,-960 223,-1505 308,-1590 308,-1617.53 307.06,-1618.46 307.06,-1642.9 308,-1643.84 308,-1934 481,-2107 v1(481,-2349)
EX1_15: J8.18 U4.AA23 | length 2417
  Top Layer w5: v1@178,-884 178.7,-884 196.56,-866.14 U4.AA23@196.85,-866.14 ; v1@478.65,-2704.35 J8.18@478.65,-2627.65
  Int4 (Sign) w5: v1@176,-886 161.5,-900.5 161.5,-953.98 170.06,-962.54 170.06,-1016.02 161.5,-1024.58 161.5,-1037.42 170.06,-1045.98 170.06,-1317.14 199.5,-1346.58 199.5,-1359.42 189.5,-1369.42 189.5,-1491.36 -4.5,-1685.36 -4.5,-1935.3 -18,-1948.8 -18,-1950.94 -16.5,-1952.44 -16.5,-1973.56 -18,-1975.06 -18,-1978.2 -4.5,-1991.7 -4.5,-2400.93 161.57,-2567 450.82,-2567 478,-2594.18 v1(478,-2705)
  other v1: 176.59,-885.83